# Altium PCB radxa_cm3s_io_board_V1510.PcbDoc (part 2 of 4)
Units mil, origin at the board's own origin, x right, y up, seen from the top; angles counter-clockwise.
Board outline 6299.61 x 3544.09 mil, 4 copper layers (Top, GND, Power, Bottom), stack 35.4 mil thick; 371 components, 243 nets, 1310 pads, 2024 vias.
Unrouted connection lines stored in the file: 1349.
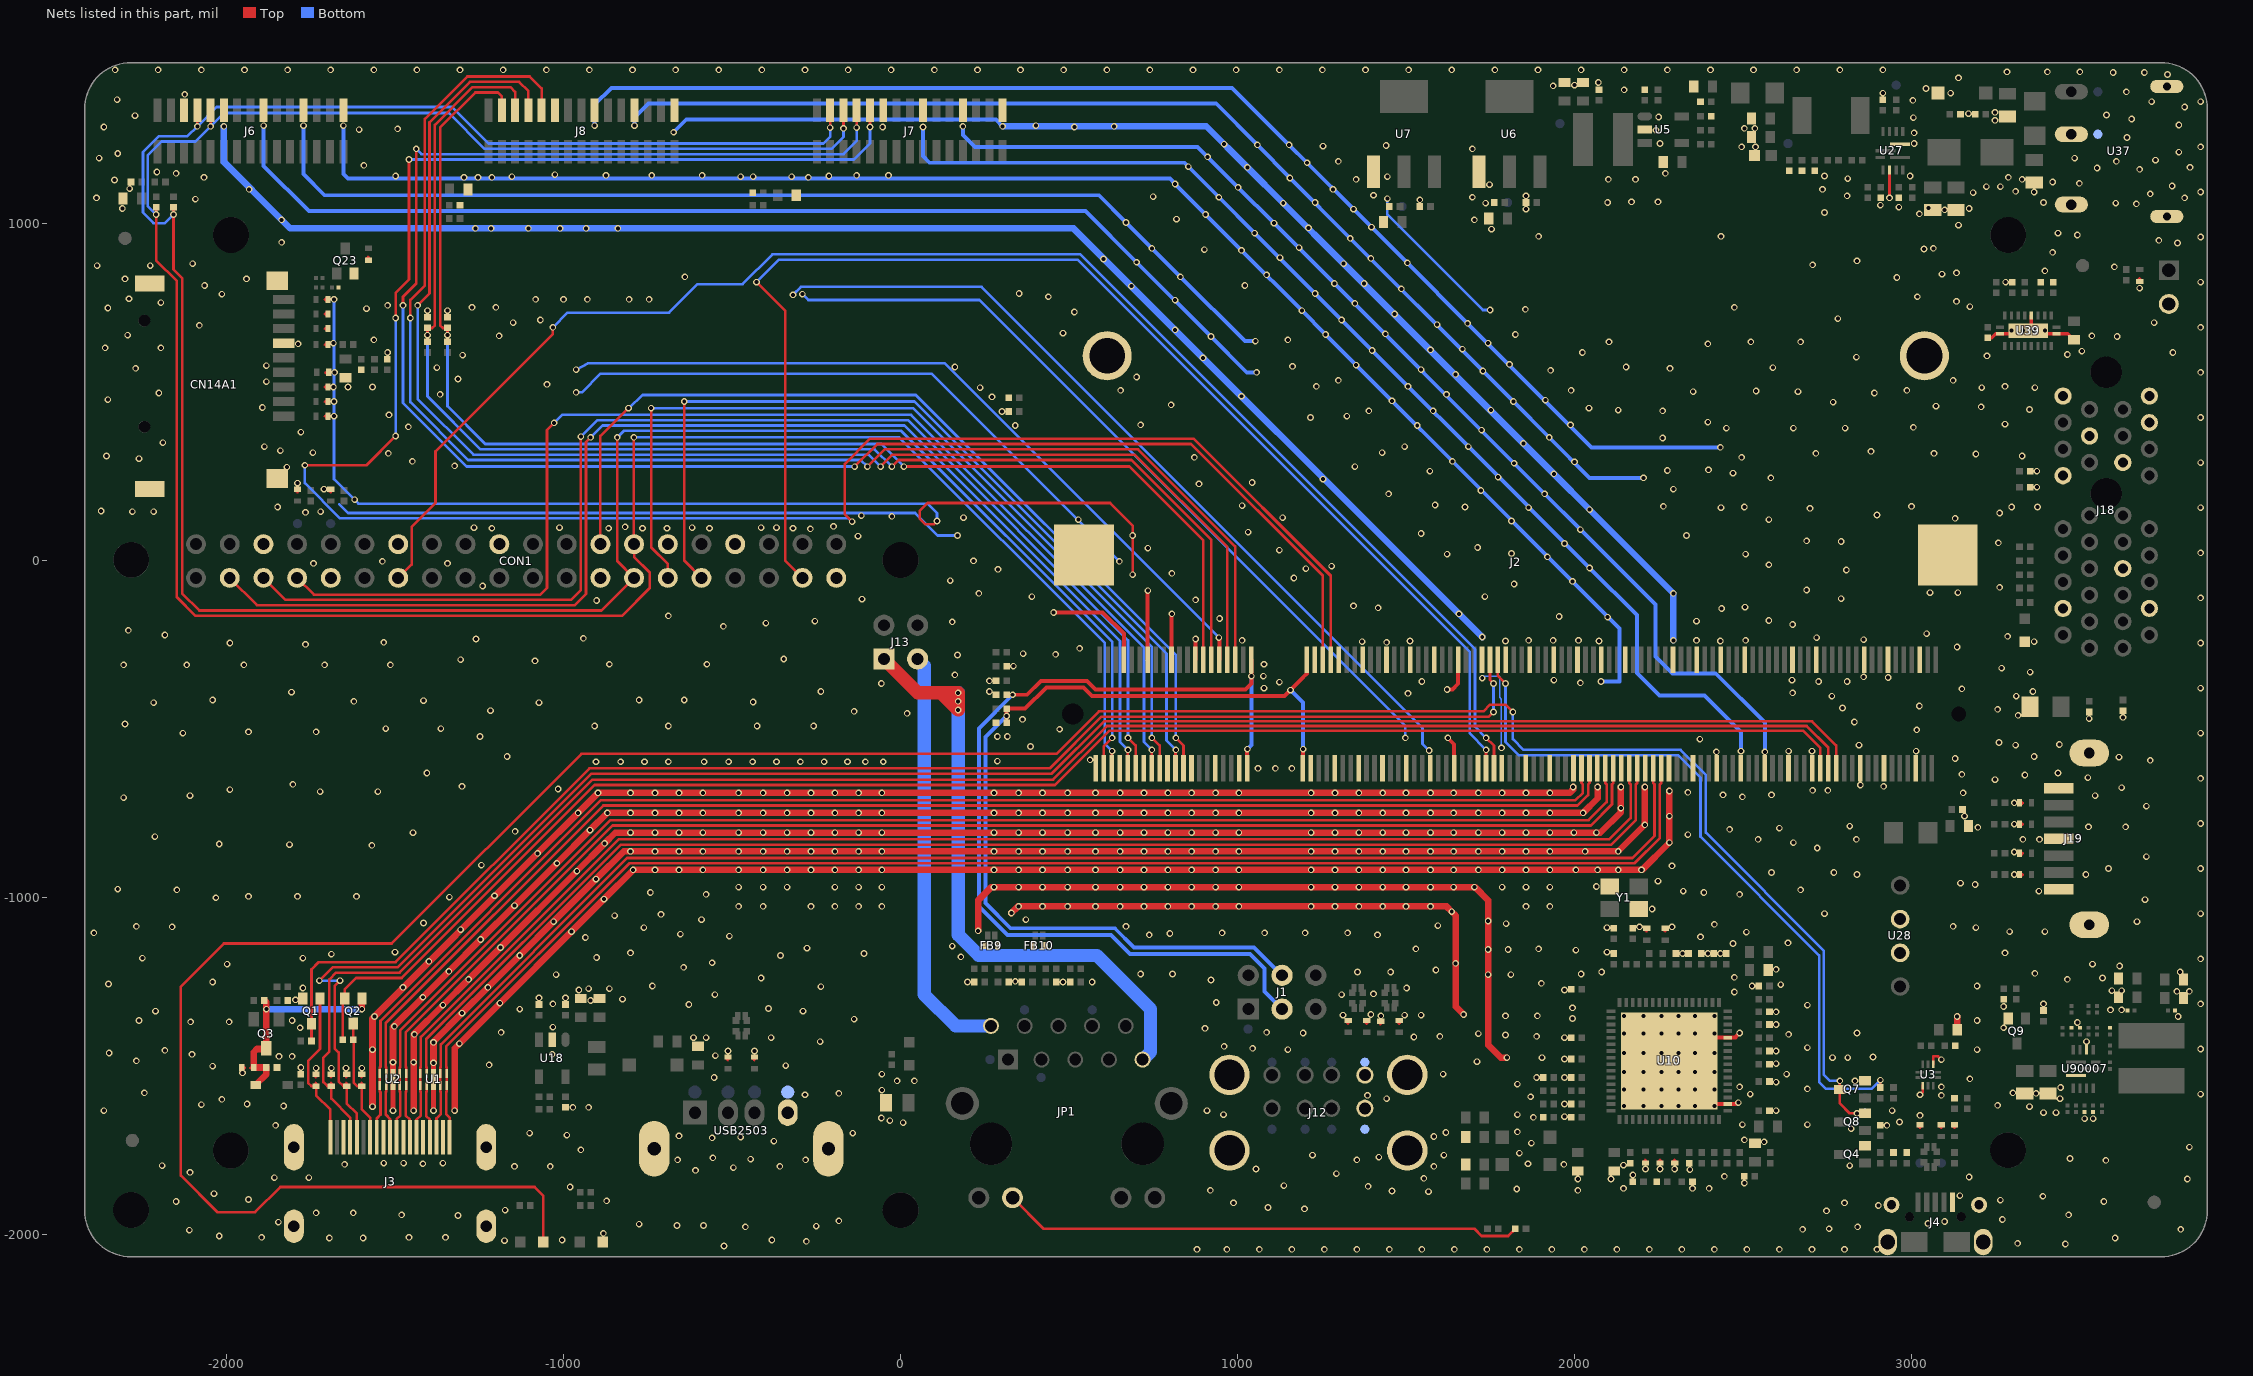
[diagram p4: the nets of this part, all layers, seen from the top]

## Via types
v1: diameter 19.68, hole 11.81, Top to Bottom, 2024 vias

## Nets (pads, with @x,y where several pads share a name; then routed paths per layer and width w, separated by ;. In a path a pad name is that pad's centre, name@x,y a point inside that pad or via, vN(x,y) a via of type N, cw(c..) or ccw(c..) an arc to the next point about the centre after c; other vN are vias at no path point) (continued)
CAM0_IO1: J2.46 J7.4 | length 5437
  Top w7.87: v1(-1476.38,755.91) -1476.38,781.5 -1437.01,820.87 v1(-1437.01,1220.47) ; v1(-135.83,277.56) -68.9,344.49 862.2,344.49 1253.15,-46.46 J2.46@1253.15,-295.28 ; v1(-129.92,1283.46) J7.4@-129.92,1334.65
  Bottom w7.87: v1(-1476.38,755.91) -1476.38,466.54 -1287.4,277.56 v1(-135.83,277.56) ; v1(-1437.01,1220.47) -1421.26,1204.72 -169.29,1204.72 -129.92,1244.09 v1(-129.92,1283.46)
CAM0_IO2: J2.48 J7.5 | length 6423.9
  Top w7.87: v1(-1767.72,281.5) -1584.65,281.5 v1(-1498.03,368.11) ; v1(-1498.03,718.5) -1498.03,793.31 -1458.66,832.68 v1(-1458.66,1188.98) ; v1(-143.7,114.17) -165.35,135.83 -165.35,285.43 -90.55,360.24 870.08,360.24 1276.77,-46.46 J2.48@1276.77,-295.28 ; v1(-90.55,1285.43) J7.5@-90.55,1334.65
  Bottom w7.87: v1(-1767.72,281.5) -1767.72,228.35 -1663.39,124.02 -153.54,124.02 v1(-143.7,114.17) ; v1(-1498.03,368.11) v1(-1498.03,718.5) ; v1(-1458.66,1188.98) -137.8,1188.98 -90.55,1236.22 v1(-90.55,1285.43)
CAM1_IO1: J2.34 J8.4 | length 4195
  Top w7.87: v1(-1433.07,755.91) -1397.64,791.34 -1397.64,1299.21 -1277.56,1419.29 -1131.89,1419.29 -1104.33,1391.73 J8.4@-1104.33,1334.65 ; v1(-59.06,277.56) -23.62,312.99 694.88,312.99 969.69,38.19 J2.34@969.69,-295.28
  Bottom w7.87: v1(-1433.07,755.91) -1433.07,478.35 -1267.72,312.99 -94.49,312.99 v1(-59.06,277.56)
CAM1_IO2: J2.36 J8.5 | length 4340.1
  Top w7.87: v1(-1454.72,718.5) -1454.72,771.65 -1411.42,814.96 -1411.42,1309.06 -1285.43,1435.04 -1100.39,1435.04 -1064.96,1399.61 J8.5@-1064.96,1334.65 ; v1(-98.43,277.56) -47.24,328.74 704.72,328.74 993.31,40.16 J2.36@993.31,-295.28
  Bottom w7.87: v1(-1454.72,718.5) -1454.72,468.5 -1283.46,297.24 -118.11,297.24 v1(-98.43,277.56)
CAM_CLK: CON1.29 J2.17 | length 2673.5
  Top w7.87: v1(-740.16,450.79) -739.37,450 -739.37,36.61 -690.55,-12.2 CON1.29@-690.55,-52.76 ; v1(746.06,-527.56) 768.9,-550.39 J2.17@768.9,-618.11
  Bottom w7.87: v1(-740.16,450.79) 37.4,450.79 746.06,-257.87 v1(746.06,-527.56)
EMMC_EN_1V8: J2.90 R44.1 | length 2147.2
  Top w7.87: J2.90@1772.83,-295.28 1772.83,-343.7 v1(1795.28,-366.14) ; R44.1@2907.48,-1564.96 v1(2907.48,-1543.31)
  Bottom w7.87: v1(1795.28,-366.14) 1795.28,-539.37 1834.65,-578.74 2307.09,-578.74 2374.02,-645.67 2374.02,-820.87 2726.38,-1173.23 2726.38,-1549.21 2746.06,-1568.9 2881.89,-1568.9 v1(2907.48,-1543.31)
EMMC_LED: LED3.2 P20.1 Q7.3 Q8.2 | length 8133.7
  Top w7.87: LED3.2@-1060.29,-2023.68 -1060.29,-1885.83 -1085.88,-1860.24 -1840.55,-1860.24 -1915.35,-1935.04 -2027.56,-1935.04 -2135.83,-1826.77 -2135.83,-1265.75 -2007.87,-1137.8 -1509.84,-1137.8 -946.85,-574.8 462.6,-574.8 588.58,-448.82 1730.32,-448.82 1750,-429.13 1795.28,-429.13 v1(1816.93,-450.79) ; v1(2787.4,-1545.28) Q7.3@2787.4,-1570.87 2787.4,-1612.21 2816.93,-1641.73 v1(2838.58,-1641.73) Q8.2@2862.2,-1641.73
  Bottom w7.87: v1(1816.93,-450.79) 1816.93,-531.5 1848.43,-562.99 2314.96,-562.99 2389.76,-637.8 2389.76,-809.06 2740.16,-1159.45 2740.16,-1527.56 2757.87,-1545.28 v1(2787.4,-1545.28) ; v1(2838.58,-1641.73) P20.1@2862.2,-1641.73
GND: C1.2 C2.1 C3.2 C4.2 C5.2 C6.2 C7.2 C8.2 C9.2 C10.2 C11.2 C12.2 C13.2 C22.2 C24.2 C25.2 C26.2 C27.2 C28.2 C29.2 C30.2 C31.2 C32.2 C33.2 C34.2 C35.2 C36.2 C37.2 C38.2 C39.2 C44.2 C45.2 C46.2 C47.2 C48.2 C49.2 C50.2 C51.2 C52.2 C53.2 C54.2 C55.2 C56.2 C57.2 C58.2 C59.2 C60.2 C61.2 C62.2 C63.2 C64.2 C65.2 C68.2 C69.2 C70.2 C71.2 C72.2 C73.2 C74.2 C75.2 C78.2 C79.2 C80.2 C81.2 C91.2 C92.2 C93.2 C94.2 C130.2 C131.2 C132.2 C133.2 C134.2 C135.2 C136.2 C137.2 C138.2 C139.2 C143.2 C144.2 C145.2 C146.2 C147.1 C148.2 C149.2 C150.2 C161.2 C162.2 C163.2 C164.2 C90351.2 C90352.2 C90353.2 C90354.2 C90355.2 C90356.2 C90357.2 C90358.2 C90359.2 C90360.2 C90361.2 CN14A1.6 CN14A1.10 CN14A1.11 CN14A1.12 CN14A1.13 CON1.6 CON1.9 CON1.14 CON1.20 CON1.25 CON1.30 CON1.34 CON1.39 D2.1 D3.1 D5.1 D6.1 D14.2 D15.2 D16.1 D17.1 D47.1 D48.1 D49.1 D50.1 D51.1 D52.1 D53.1 D54.1 ED1.2 ED2.2 ED3.2 ED4.2 ED5.2 ED6.2 ED7.2 ED8.2 ED9.2 ED10.2 ED11.2 ED12.2 ED13.2 ED14.2 ED15.2 ED16.2 ED17.2 ED18.2 ED19.2 ED20.2 ED21.2 FB9.5 FB9.6 FB10.5 FB10.6 J2.1 J2.7 J2.8 J2.13 J2.14 J2.19 J2.20 J2.25 J2.26 J2.31 J2.32 J2.37 J2.43 J2.44 J2.49 J2.50 J2.55 J2.56 J2.61 J2.62 J2.67 J2.68 J2.73 J2.74 J2.79 J2.80 J2.85 J2.86 J2.91 J2.92 J2.97 J2.98 J2.103 J2.104 J2.109 J2.110 J2.115 J2.116 J2.121 J2.122 J2.127 J2.133 J2.134 J2.139 J2.140 J2.145 J2.146 J2.151 J2.152 J2.157 J2.163 J2.164 J2.169 J2.170 J2.181 J2.182 J2.187 J2.188 J2.195 J2.196 J2.201 J2.202 J2.203 J2.204 J3.2 J3.5 J3.8 J3.11 J3.17 J3.20 J3.21 J3.22 J3.23 J4.5 J4.6 J4.7 J4.8 J4.9 J6.3 J6.6 J6.9 J6.12 J6.15 J7.6 J7.9 J7.12 J7.15 J8.6 J8.9 J8.12 J8.15 J9.2 J12.4 J12.8 J12.9 J12.10 J12.11 J12.12 J16.1 J17.1 J18.A4 J18.A12 J18.A15 J18.A18 J18.B4 J18.B7 J18.B13 J18.B16 J18.B18 J19.1 J19.4 J19.7 J19.8 J19.9 LED2.2 LED4.2 P6.1 P12.1 Q1.2 Q4.2 Q7.2 Q9.2 Q23.2 R4.2 R6.1 R7.1 R8.1 R9.1 R10.2 R11.2 R17.1 R23.2 R24.2 R36.2 R48.2 R62.2 R69.2 R75.2 R108.2 R115.2 R152.1 R157.2 R167.2 R172.1 R174.1 R176.2 R90398.2 R90622.2 R90624.2 R90626.1 R90629.1 TP16.1 TP17.1 U1.3 U1.8 U2.3 U2.8 U3.3 U3.8 U5.2 U6.1 U7.1 U10.34 U10.44 U10.65 U18.2 U27.2 U27.10 U28.2 U28.3 U37.2 U37.3 U37.4 U37.5 U39.4 U39.10 U39.19 U39.21 U90007.2 U90007.10 USB2503.4 USB2503.5 USB2503.6 Y1.2 Y1.4 | length 74468.5
  Top w7.87: v1(108.27,116.14) 100.39,108.27 100.39,106.3 74.8,106.3 57.09,124.02 57.09,145.67 80.71,169.29 622.05,169.29 688.98,102.36 v1(688.98,72.83) v1(688.98,-43.31) ; v1(3025.59,-1586.61) 3033.51,-1578.69 U3.3@3033.51,-1559.36 ; U3.8@3065.01,-1495.76 3065.01,-1472.44 3078.74,-1472.44 v1(3088.58,-1482.28)
  Top w9.84: v1(2935.04,1074.8) U27.10@2935.04,1157.48 ; C164.2@3226.38,659.45 3238.19,659.45 3250,671.26 U39.10@3262.6,671.26 3464.57,671.26 C163.2@3482.28,653.54 ; U39.21@3346.46,681.1 3352.36,687.01 3355.91,687.01 U39.4@3355.91,725.98
  Top w11.81: v1(454.72,-155.51) 599.61,-155.51 662.6,-218.5 J2.8@662.6,-295.28 ; J2.14@733.46,-295.28 733.46,-90.55 v1(734.25,-90.55) ; J2.20@804.33,-295.28 804.33,-159.45 v1(805.12,-159.45) ; J2.26@875.2,-295.28 875.2,-234.25 v1(875.98,-234.25) ; v1(944.88,-230.31) 946.06,-232.28 J2.32@946.06,-295.28 ; v1(1622.05,-383.86) 1637.8,-383.86 1654.72,-366.93 J2.80@1654.72,-295.28 ; v1(1624.02,-527.56) 1642.91,-546.46 J2.79@1642.91,-618.11 ; v1(2415.35,-1620.08) 2415.35,-1616.14 2397.64,-1598.43 2413.39,-1614.17 U10.34@2455.02,-1614.17 2478.35,-1614.17 2482.28,-1610.24 v1(2486.22,-1610.24) ; v1(2415.35,-1405.51) 2415.35,-1417.32 U10.44@2455.02,-1417.32 2478.35,-1417.32 2478.35,-1415.35 v1(2490.16,-1403.54)
  Top w15.75: v1(-1505.91,-1633.86) U2.8@-1505.91,-1556.6 ; v1(-1385.83,-1633.86) U1.8@-1385.83,-1556.6 ; U1.3@-1385.83,-1526.08 v1(-1385.83,-1492.13)
  Top w16.93: U2.3@-1505.91,-1526.08 v1(-1505.91,-1490.16)
  Top w19.68: v1(-1566.93,-1622.05) -1566.93,-1360.24 v1(-1561.02,-1354.33) v1(-1076.77,-870.08) v1(-956.69,-750) v1(-897.64,-690.94) v1(-801.18,-690.94) v1(-728.35,-690.94) v1(-657.48,-690.94) v1(-586.61,-690.94) v1(-480.31,-690.94) v1(-407.48,-690.94) v1(-336.61,-690.94) v1(-265.75,-690.94) v1(-194.88,-690.94) v1(-124.02,-690.94) v1(-55.12,-690.94) v1(277.56,-690.94) v1(350.39,-690.94) v1(421.26,-690.94) v1(496.06,-690.94) v1(578.74,-690.94) v1(651.57,-690.94) v1(722.44,-690.94) v1(793.31,-690.94) v1(864.17,-690.94) v1(935.04,-690.94) v1(1003.94,-690.94) v1(1218.5,-690.94) v1(1289.37,-690.94) v1(1360.24,-690.94) v1(1431.1,-690.94) v1(1500,-690.94) v1(1572.83,-690.94) v1(1641.73,-690.94) v1(1714.57,-690.94) v1(1785.43,-690.94) v1(1856.3,-690.94) v1(1927.17,-690.94) 1986.22,-690.94 1996.06,-681.1 v1(1996.06,-673.23) ; v1(-1505.91,-1490.16) -1505.91,-1385.83 v1(-1417.32,-1297.24) v1(-1340.55,-1220.47) v1(-1246.06,-1125.98) v1(-1145.67,-1025.59) v1(-1019.68,-899.61) v1(-921.26,-801.18) v1(-870.08,-750) v1(-801.18,-750) v1(-728.35,-750) v1(-657.48,-750) v1(-586.61,-750) v1(-480.31,-750) v1(-407.48,-750) v1(-336.61,-750) v1(-265.75,-750) v1(-194.88,-750) v1(-124.02,-750) v1(-55.12,-750) v1(277.56,-750) v1(350.39,-750) v1(421.26,-750) v1(496.06,-750) v1(578.74,-750) v1(651.57,-750) v1(722.44,-750) v1(793.31,-750) v1(864.17,-750) v1(935.04,-750) v1(1003.94,-750) v1(1218.5,-750) v1(1289.37,-750) v1(1360.24,-750) v1(1431.1,-750) v1(1500,-750) v1(1572.83,-750) v1(1641.73,-750) v1(1714.57,-750) v1(1785.43,-750) v1(1856.3,-750) v1(1927.17,-750) v1(2025.59,-750) 2068.9,-706.69 v1(2068.9,-673.23) ; v1(-1444.88,-1633.86) -1444.88,-1407.48 v1(-1358.27,-1320.87) v1(-1281.5,-1244.09) v1(-1187.01,-1149.61) v1(-960.63,-923.23) v1(-877.95,-840.55) -846.46,-809.06 v1(-801.18,-809.06) v1(-728.35,-809.06) v1(-657.48,-809.06) v1(-586.61,-809.06) v1(-480.31,-809.06) v1(-407.48,-809.06) v1(-336.61,-809.06) v1(-265.75,-809.06) v1(-194.88,-809.06) v1(-124.02,-809.06) v1(-55.12,-809.06) v1(277.56,-809.06) v1(350.39,-809.06) v1(421.26,-809.06) v1(496.06,-809.06) v1(578.74,-809.06) v1(651.57,-809.06) v1(722.44,-809.06) v1(793.31,-809.06) v1(864.17,-809.06) v1(935.04,-809.06) v1(1003.94,-809.06) v1(1218.5,-809.06) v1(1289.37,-809.06) v1(1360.24,-809.06) v1(1431.1,-809.06) v1(1500,-809.06) v1(1572.83,-809.06) v1(1641.73,-809.06) v1(1714.57,-809.06) v1(1785.43,-809.06) v1(1856.3,-809.06) v1(1927.17,-809.06) v1(1998.03,-809.06) v1(2064.96,-809.06) 2076.77,-809.06 2137.8,-748.03 v1(2137.8,-736.22) v1(2137.8,-673.23) ; v1(-1385.83,-1492.13) -1385.83,-1429.13 v1(-1301.18,-1344.49) v1(-1224.41,-1267.72) v1(-1129.92,-1173.23) v1(-1029.53,-1072.83) v1(-903.54,-946.85) -820.87,-864.17 v1(-801.18,-864.17) v1(-728.35,-864.17) v1(-657.48,-864.17) v1(-586.61,-864.17) v1(-480.31,-864.17) v1(-407.48,-864.17) v1(-336.61,-864.17) v1(-265.75,-864.17) v1(-194.88,-864.17) v1(-124.02,-864.17) v1(-55.12,-864.17) v1(277.56,-864.17) v1(350.39,-864.17) v1(421.26,-864.17) v1(496.06,-864.17) v1(578.74,-864.17) v1(651.57,-864.17) v1(722.44,-864.17) v1(793.31,-864.17) v1(864.17,-864.17) v1(935.04,-864.17) v1(1003.94,-864.17) v1(1218.5,-864.17) v1(1289.37,-864.17) v1(1360.24,-864.17) v1(1431.1,-864.17) v1(1500,-864.17) v1(1572.83,-864.17) v1(1641.73,-864.17) v1(1714.57,-864.17) v1(1785.43,-864.17) v1(1856.3,-864.17) v1(1927.17,-864.17) v1(2031.5,-864.17) v1(2129.92,-864.17) v1(2208.66,-785.43) v1(2208.66,-673.23) ; v1(-1322.83,-1633.86) -1322.83,-1448.82 v1(-1309.06,-1435.04) v1(-1188.98,-1314.96) v1(-976.38,-1102.36) v1(-879.92,-1005.91) v1(-793.31,-919.29) v1(-728.35,-919.29) v1(-657.48,-919.29) v1(-586.61,-919.29) v1(-480.31,-919.29) v1(-407.48,-919.29) v1(-336.61,-919.29) v1(-265.75,-919.29) v1(-194.88,-919.29) v1(-124.02,-919.29) v1(-55.12,-919.29) v1(277.56,-919.29) v1(350.39,-919.29) v1(421.26,-919.29) v1(496.06,-919.29) v1(578.74,-919.29) v1(651.57,-919.29) v1(722.44,-919.29) v1(793.31,-919.29) v1(864.17,-919.29) v1(935.04,-919.29) v1(1003.94,-919.29) v1(1218.5,-919.29) v1(1289.37,-919.29) v1(1360.24,-919.29) v1(1431.1,-919.29) v1(1500,-919.29) v1(1572.83,-919.29) v1(1641.73,-919.29) v1(1714.57,-919.29) v1(1785.43,-919.29) v1(1856.3,-919.29) v1(1927.17,-919.29) v1(2003.94,-919.29) v1(2068.9,-919.29) v1(2129.92,-919.29) v1(2198.82,-919.29) 2200.79,-919.29 v1(2281.5,-838.58) v1(2281.5,-685.04) ; v1(230.32,-1100.39) 230.32,-1009.84 269.69,-970.47 v1(277.56,-970.47) v1(350.39,-970.47) v1(421.26,-970.47) v1(496.06,-970.47) v1(578.74,-970.47) v1(651.57,-970.47) v1(722.44,-970.47) v1(793.31,-970.47) v1(864.17,-970.47) v1(935.04,-970.47) v1(1003.94,-970.47) v1(1218.5,-970.47) v1(1289.37,-970.47) v1(1360.24,-970.47) v1(1431.1,-970.47) v1(1500,-970.47) v1(1572.83,-970.47) v1(1641.73,-970.47) v1(1702.76,-970.47) 1704.72,-970.47 1744.09,-1009.84 v1(1744.09,-1070.87) v1(1744.09,-1155.51) v1(1744.09,-1230.31) 1744.09,-1438.98 1781.5,-1476.38 v1(1799.21,-1476.38) ; v1(328.74,-1047.24) 348.43,-1027.56 v1(350.39,-1027.56) v1(421.26,-1027.56) v1(496.06,-1027.56) v1(578.74,-1027.56) v1(651.57,-1027.56) v1(722.44,-1027.56) v1(793.31,-1027.56) v1(864.17,-1027.56) v1(935.04,-1027.56) v1(1003.94,-1027.56) v1(1218.5,-1027.56) v1(1289.37,-1027.56) v1(1360.24,-1027.56) v1(1431.1,-1027.56) v1(1500,-1027.56) v1(1572.83,-1027.56) 1620.08,-1027.56 v1(1635.83,-1043.31) 1647.64,-1055.12 v1(1647.64,-1196.85) 1647.64,-1324.8 v1(1671.26,-1348.43) ; C8.2@3135.83,-1393.7 v1(3135.83,-1354.33)
  Bottom w3.94: v1(1726.38,-350.39) 1730.32,-346.46 1730.32,-344.49 1777.56,-344.49 1777.56,-407.48 1783.46,-413.39 v1(1783.46,-557.09)
  Bottom w7.87: v1(-1681.1,773.62) v1(-1681.1,470.47) v1(-1681.1,427.17) -1681.1,240.16 v1(-1620.08,179.13) -1608.27,167.32 80.71,167.32 108.27,139.76 v1(108.27,116.14) ; -1665.35,165.35 -1639.76,139.76 43.31,139.76 110.24,72.83 v1(169.29,72.83) ; v1(-962.6,498.03) -944.88,498.03 -889.76,553.15 92.52,553.15 v1(649.61,-3.94) ; v1(-962.6,564.96) -927.17,584.65 129.92,584.65 v1(944.88,-230.31) ; v1(-318.9,787.4) -295.28,811.02 240.16,811.02 1549.21,-498.03 1549.21,-545.28 v1(1568.9,-564.96) ; v1(-291.34,789.37) -273.62,771.65 234.25,771.65 1498.03,-492.13 v1(1498.03,-527.56) ; v1(1444.88,1072.83) 1444.88,1025.59 1728.35,742.13 v1(1750,742.13)
  Bottom w11.81: v1(-1889.76,1289.37) -1889.76,1169.29 -1755.91,1035.43 549.21,1035.43 v1(700.79,883.86) v1(921.26,663.39) 1027.56,557.09 v1(1057.09,557.09) ; v1(-1771.65,1289.37) -1771.65,1145.67 -1708.66,1082.68 588.58,1082.68 v1(669.29,1001.97) v1(746.06,925.2) v1(830.71,840.55) 1021.65,649.61 v1(1053.15,649.61) ; v1(-1653.54,1289.37) -1653.54,1145.67 -1639.76,1131.89 799.21,1131.89 v1(814.96,1116.14) v1(905.51,1025.59) v1(1011.81,919.29) v1(1190.94,740.16) v1(1261.81,669.29) v1(1352.36,578.74) v1(1458.66,472.44) v1(1637.8,293.31) v1(1994.09,-62.99) 2133.86,-202.76 2133.86,-360.24 v1(2078.74,-360.24) ; v1(-907.48,1289.37) -907.48,1352.36 -858.27,1401.57 984.25,1401.57 v1(1153.54,1232.28) v1(1206.69,1179.13) v1(1344.49,1041.34) v1(1397.64,988.19) v1(1503.94,881.89) v1(1683.07,702.76) 2051.18,334.65 v1(2433.07,334.65) ; v1(-789.37,1289.37) -789.37,1312.99 -748.03,1354.33 937.01,1354.33 v1(1059.06,1232.28) v1(1155.51,1133.86) v1(1334.65,954.72) v1(1728.35,561.02) v1(1818.9,470.47) v1(1925.2,364.17) 2045.28,244.09 v1(2204.72,244.09) ; v1(-673.23,1269.69) -635.83,1307.09 283.46,1307.09 v1(303.15,1287.4) ; v1(66.93,1285.43) 66.93,1198.82 86.61,1179.13 842.52,1179.13 v1(854.33,1167.32) v1(944.88,1076.77) v1(1051.18,970.47) v1(1230.32,791.34) v1(1309.06,712.6) v1(1399.61,622.05) v1(1505.91,515.75) v1(1685.04,336.61) v1(2045.28,-23.62) 2185.04,-163.39 2185.04,-334.65 2251.97,-401.57 2385.83,-401.57 2494.09,-509.84 v1(2494.09,-566.93) ; v1(185.04,1287.4) 185.04,1261.81 220.47,1226.38 881.89,1226.38 v1(911.42,1196.85) v1(1001.97,1106.3) v1(1108.27,1000) v1(1287.4,820.87) v1(1820.87,287.4) v1(1911.42,196.85) v1(2017.72,90.55) 2240.16,-131.89 2240.16,-285.43 2291.34,-336.61 2419.29,-336.61 2564.96,-482.28 v1(2564.96,-568.9)
  Bottom w19.68: v1(-2007.87,1287.4) -2007.87,1181.1 v1(-1836.61,1009.84) -1811.02,984.25 v1(-1261.81,984.25) v1(-1214.57,984.25) v1(-1104.33,984.25) v1(-1009.84,984.25) v1(-933.07,984.25) v1(-838.58,984.25) 513.78,984.25 v1(1726.38,-228.35) ; v1(303.15,1287.4) v1(633.86,1287.4) 907.48,1287.4 v1(1029.53,1165.35) v1(1135.83,1059.06) v1(1314.96,879.92) v1(1848.43,346.46) v1(1938.98,255.91) v1(2045.28,149.61) v1(2293.31,-98.43) v1(2293.31,-238.19)